# Altium PCB Gebru.PcbDoc (part 1 of 3)
Units mil, origin at the board's own origin, x right, y up, seen from the top; angles counter-clockwise.
Board outline 4231.75 x 4231.75 mil, 6 copper layers (Top Layer, GND, SL1, SL2, PWR, Bottom Layer), stack 58 mil thick; 203 components, 133 nets, 588 pads, 760 vias.
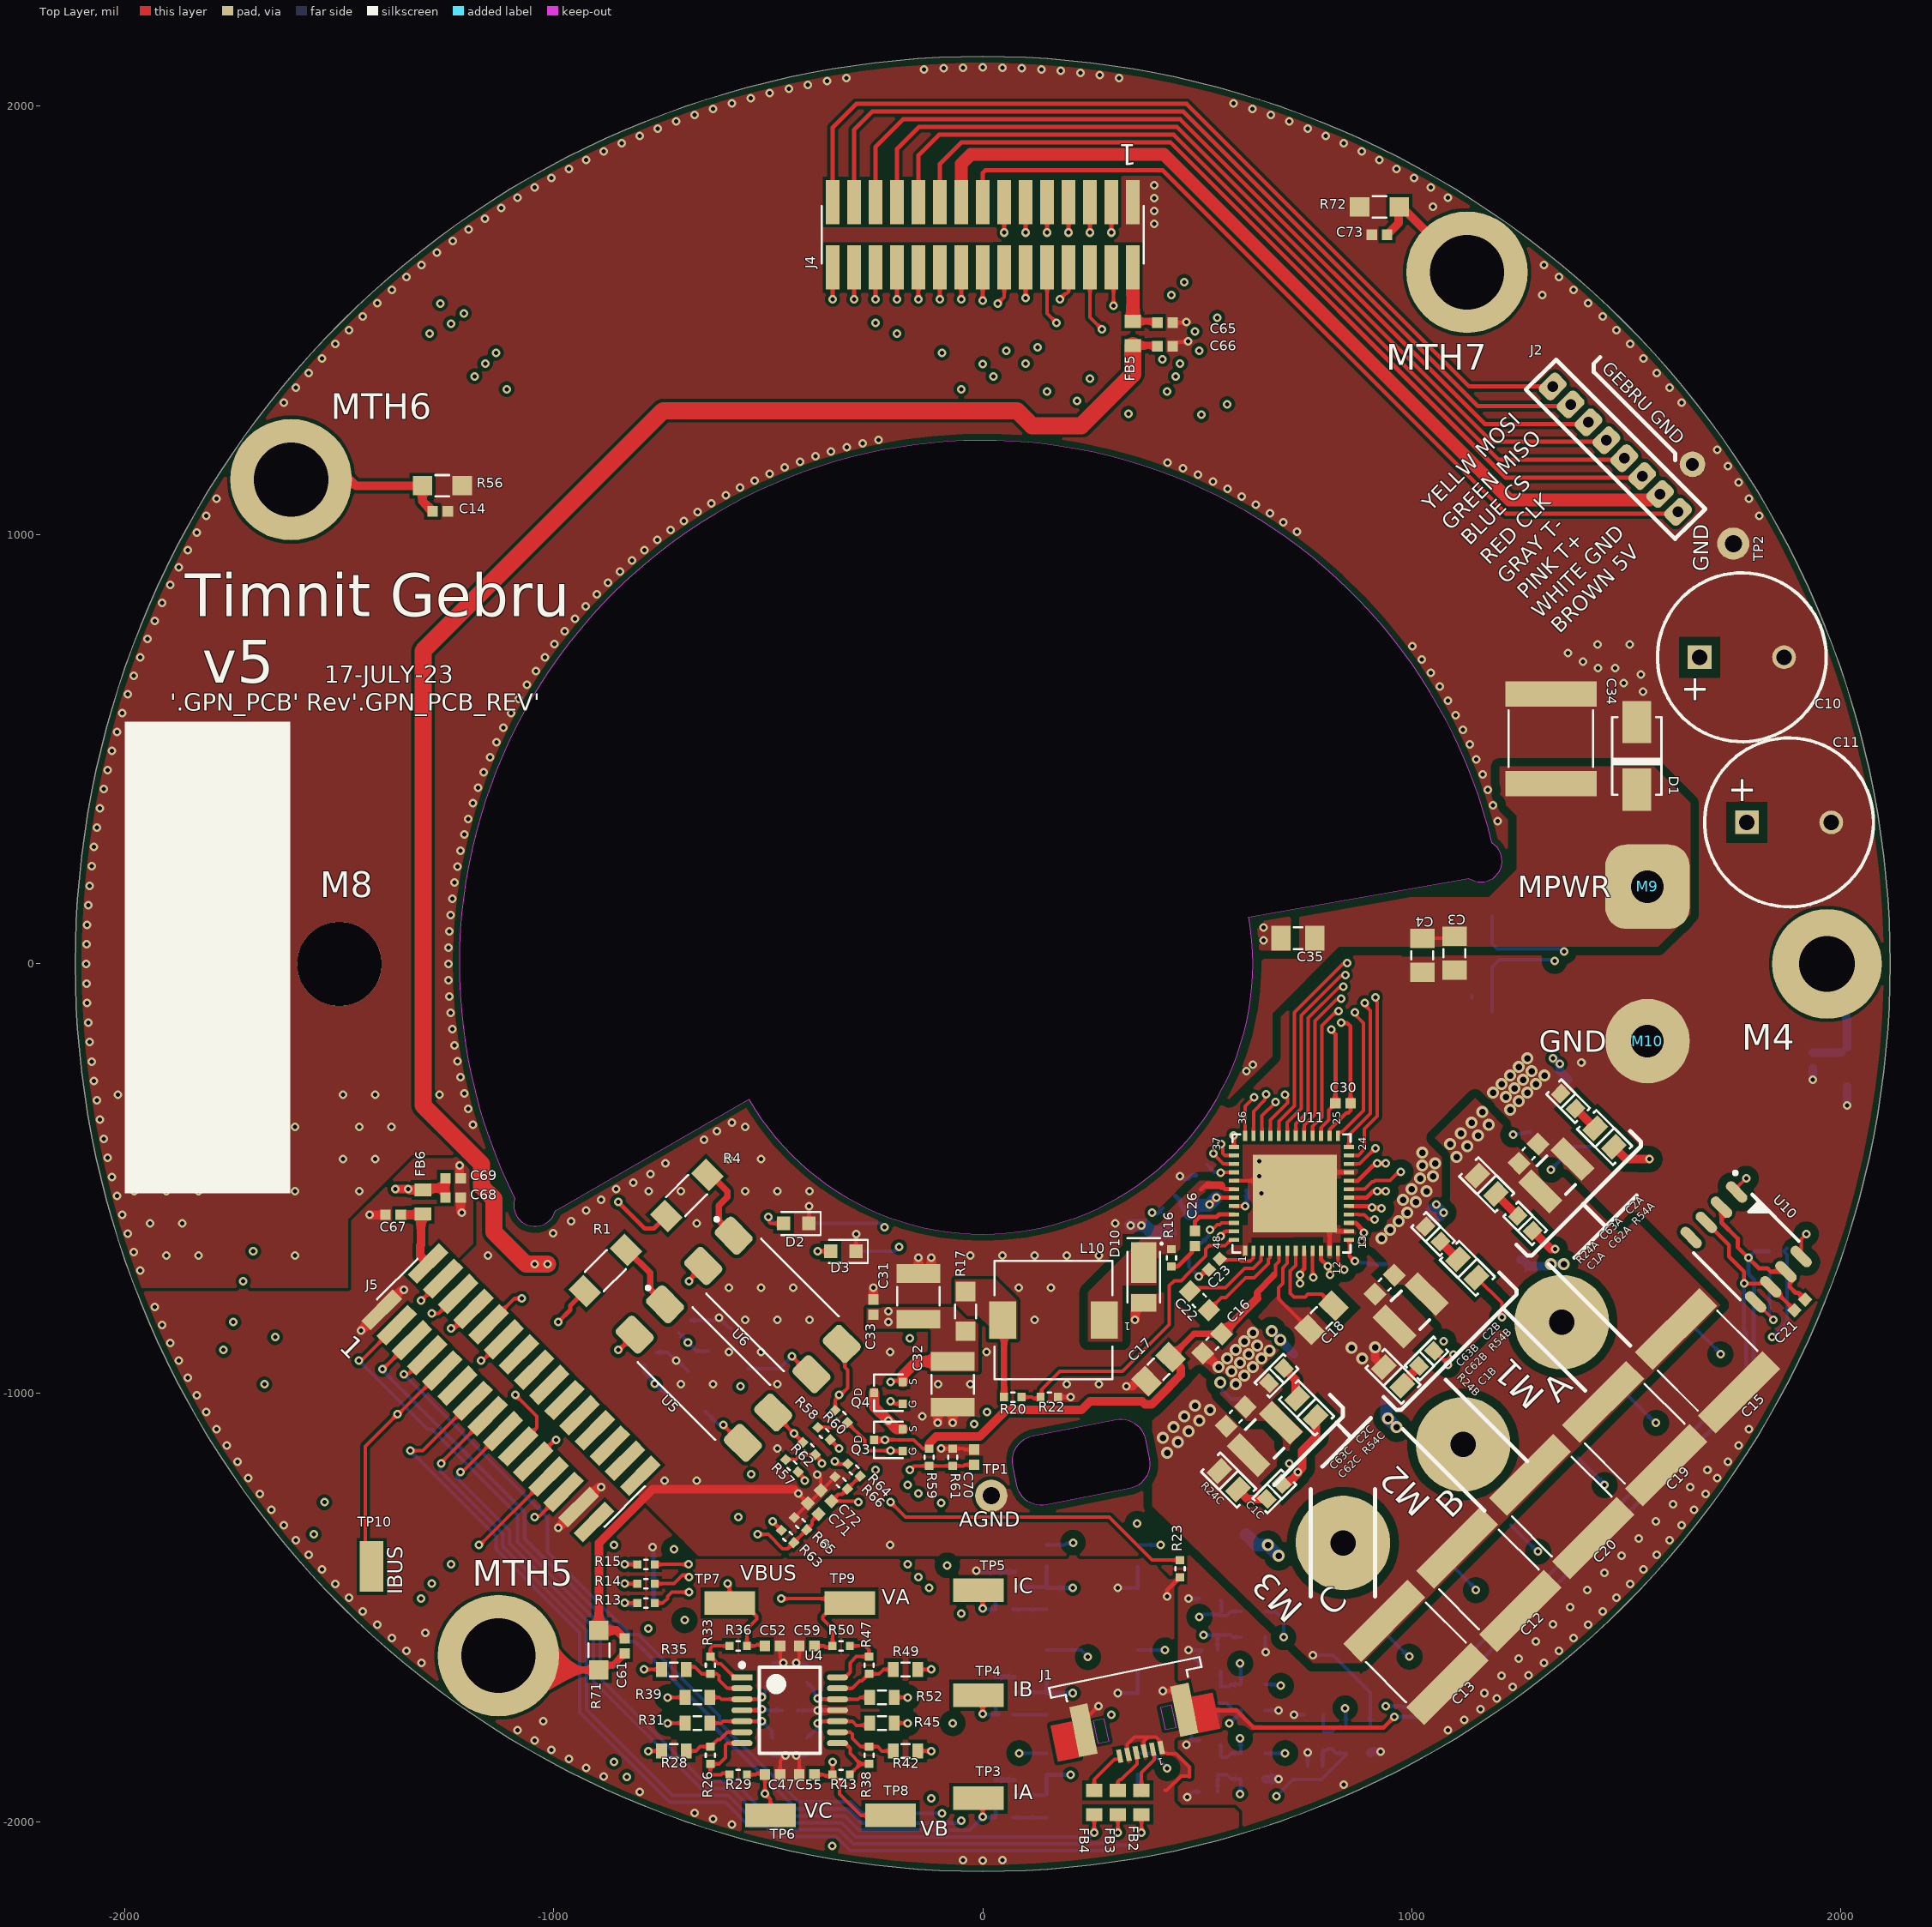
[diagram p0: Top Layer view]
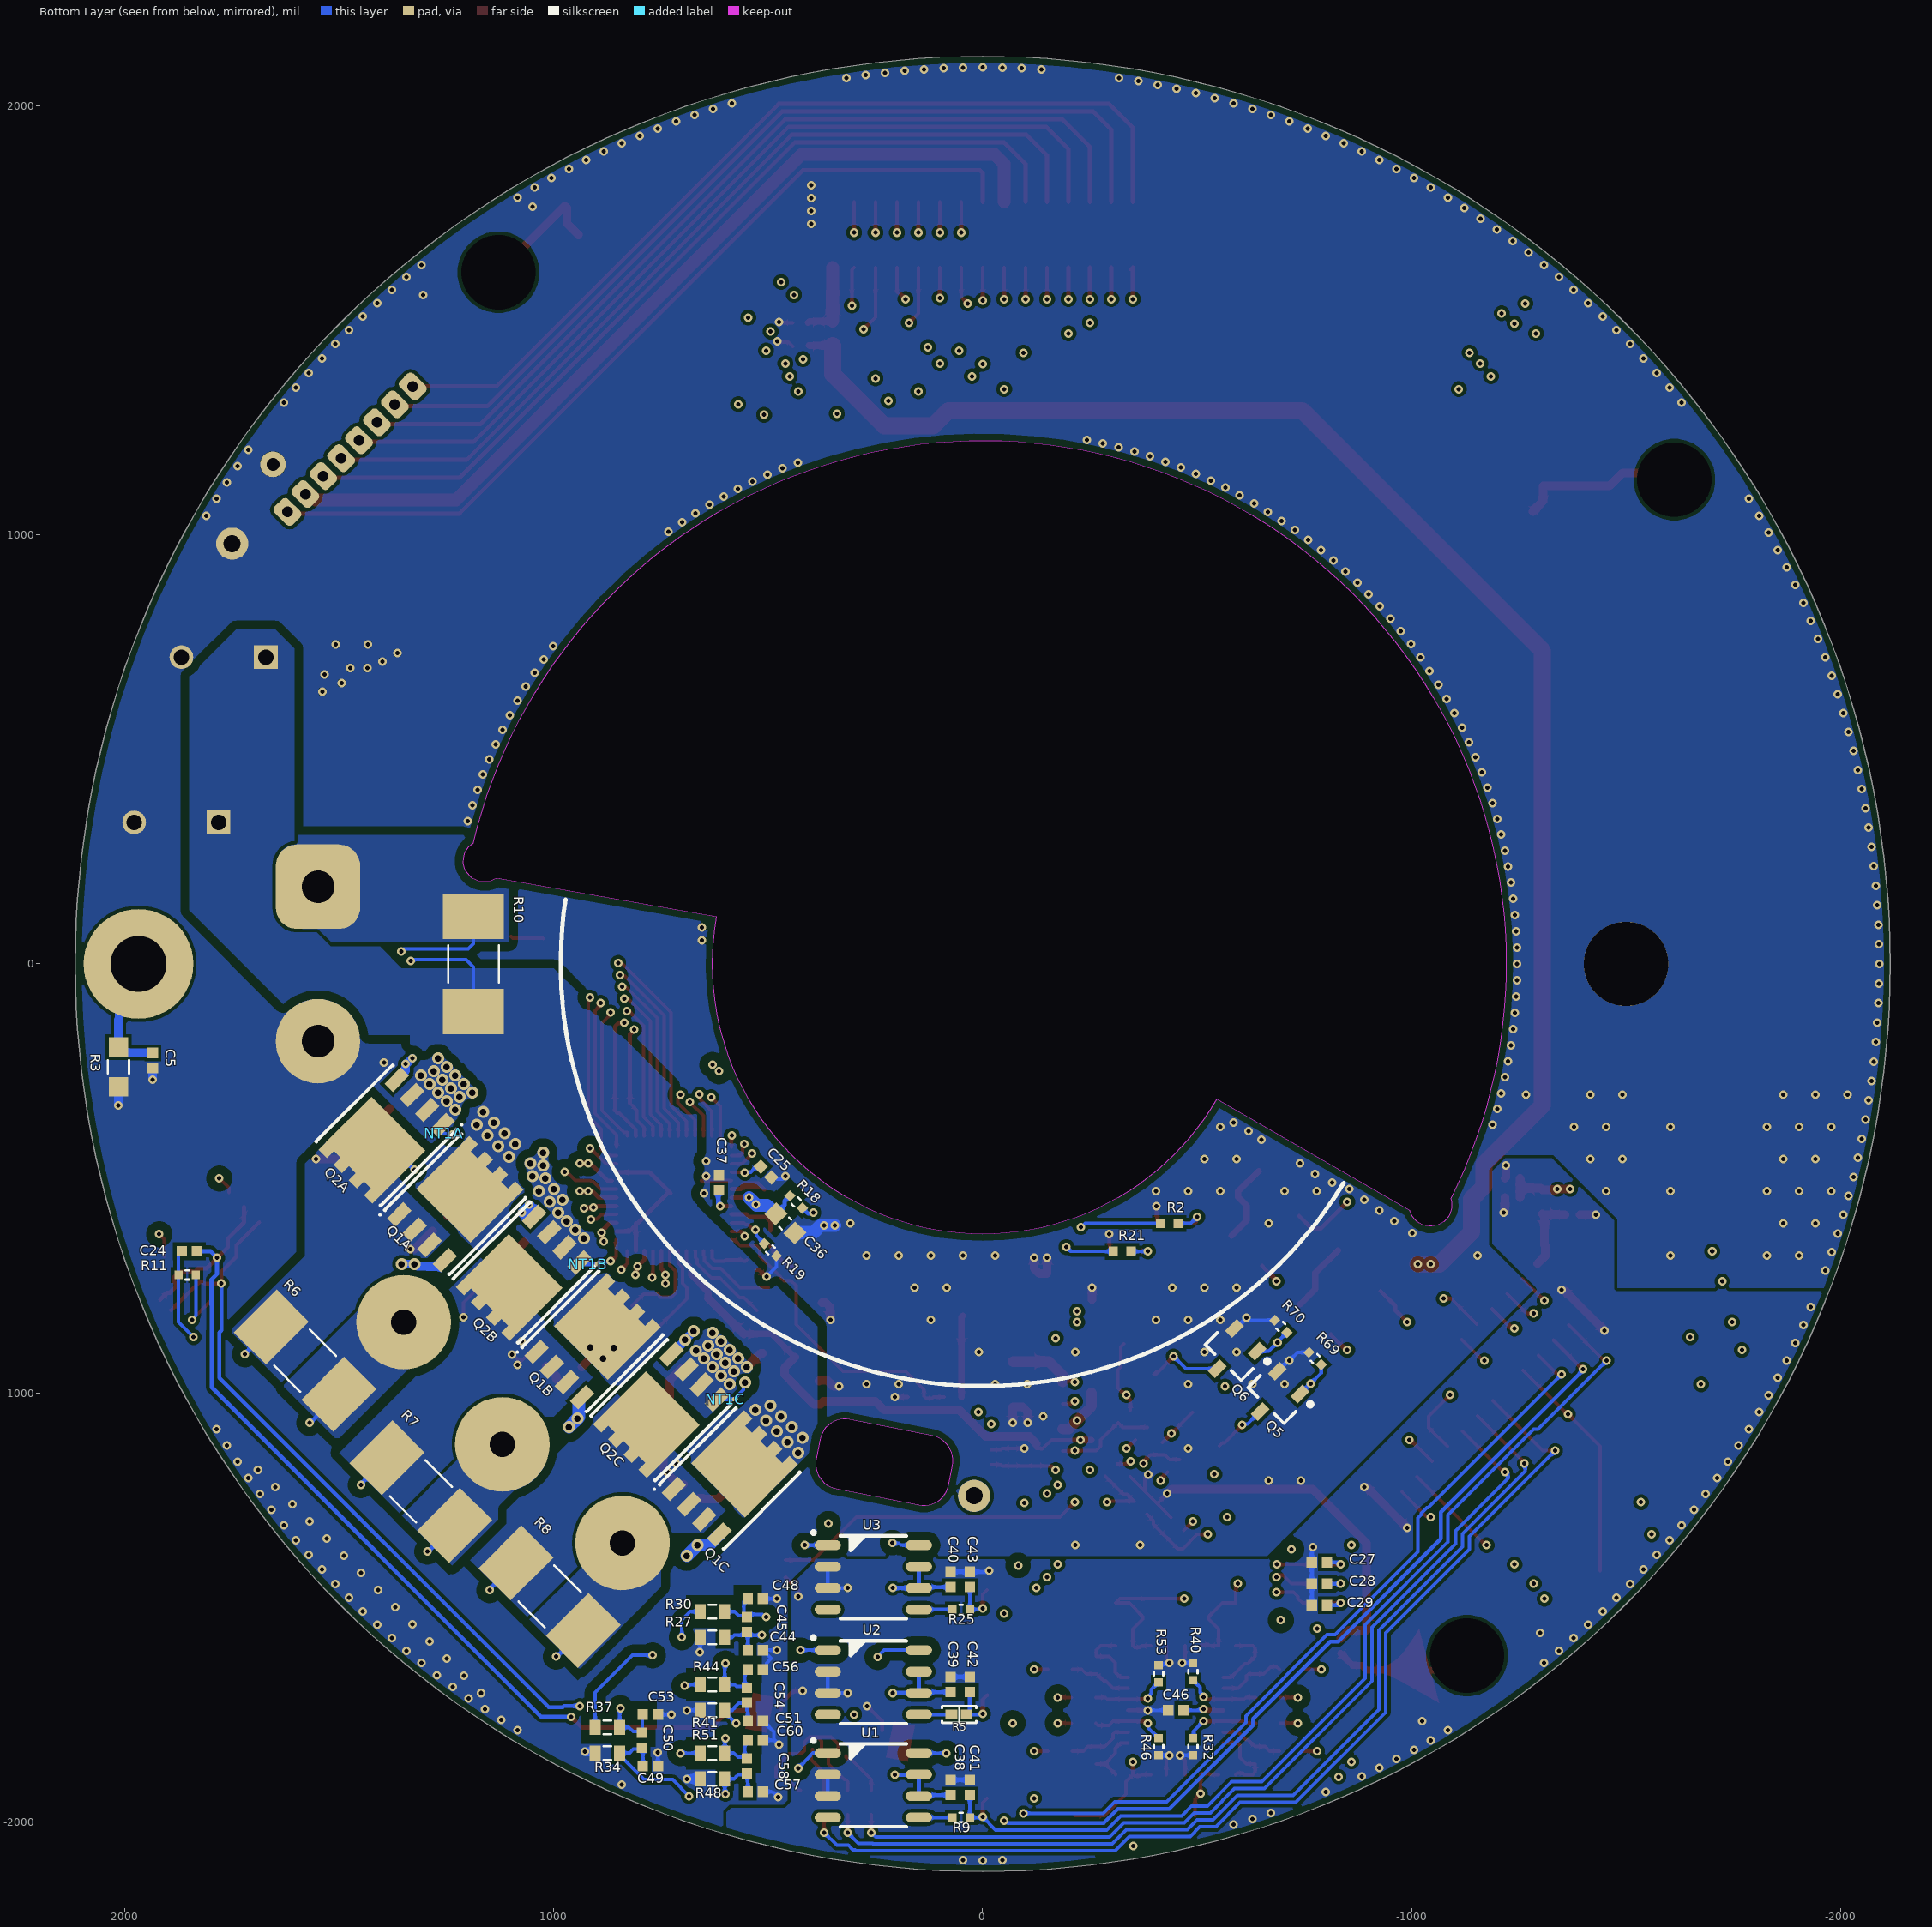
[diagram p1: Bottom Layer view, seen from below]
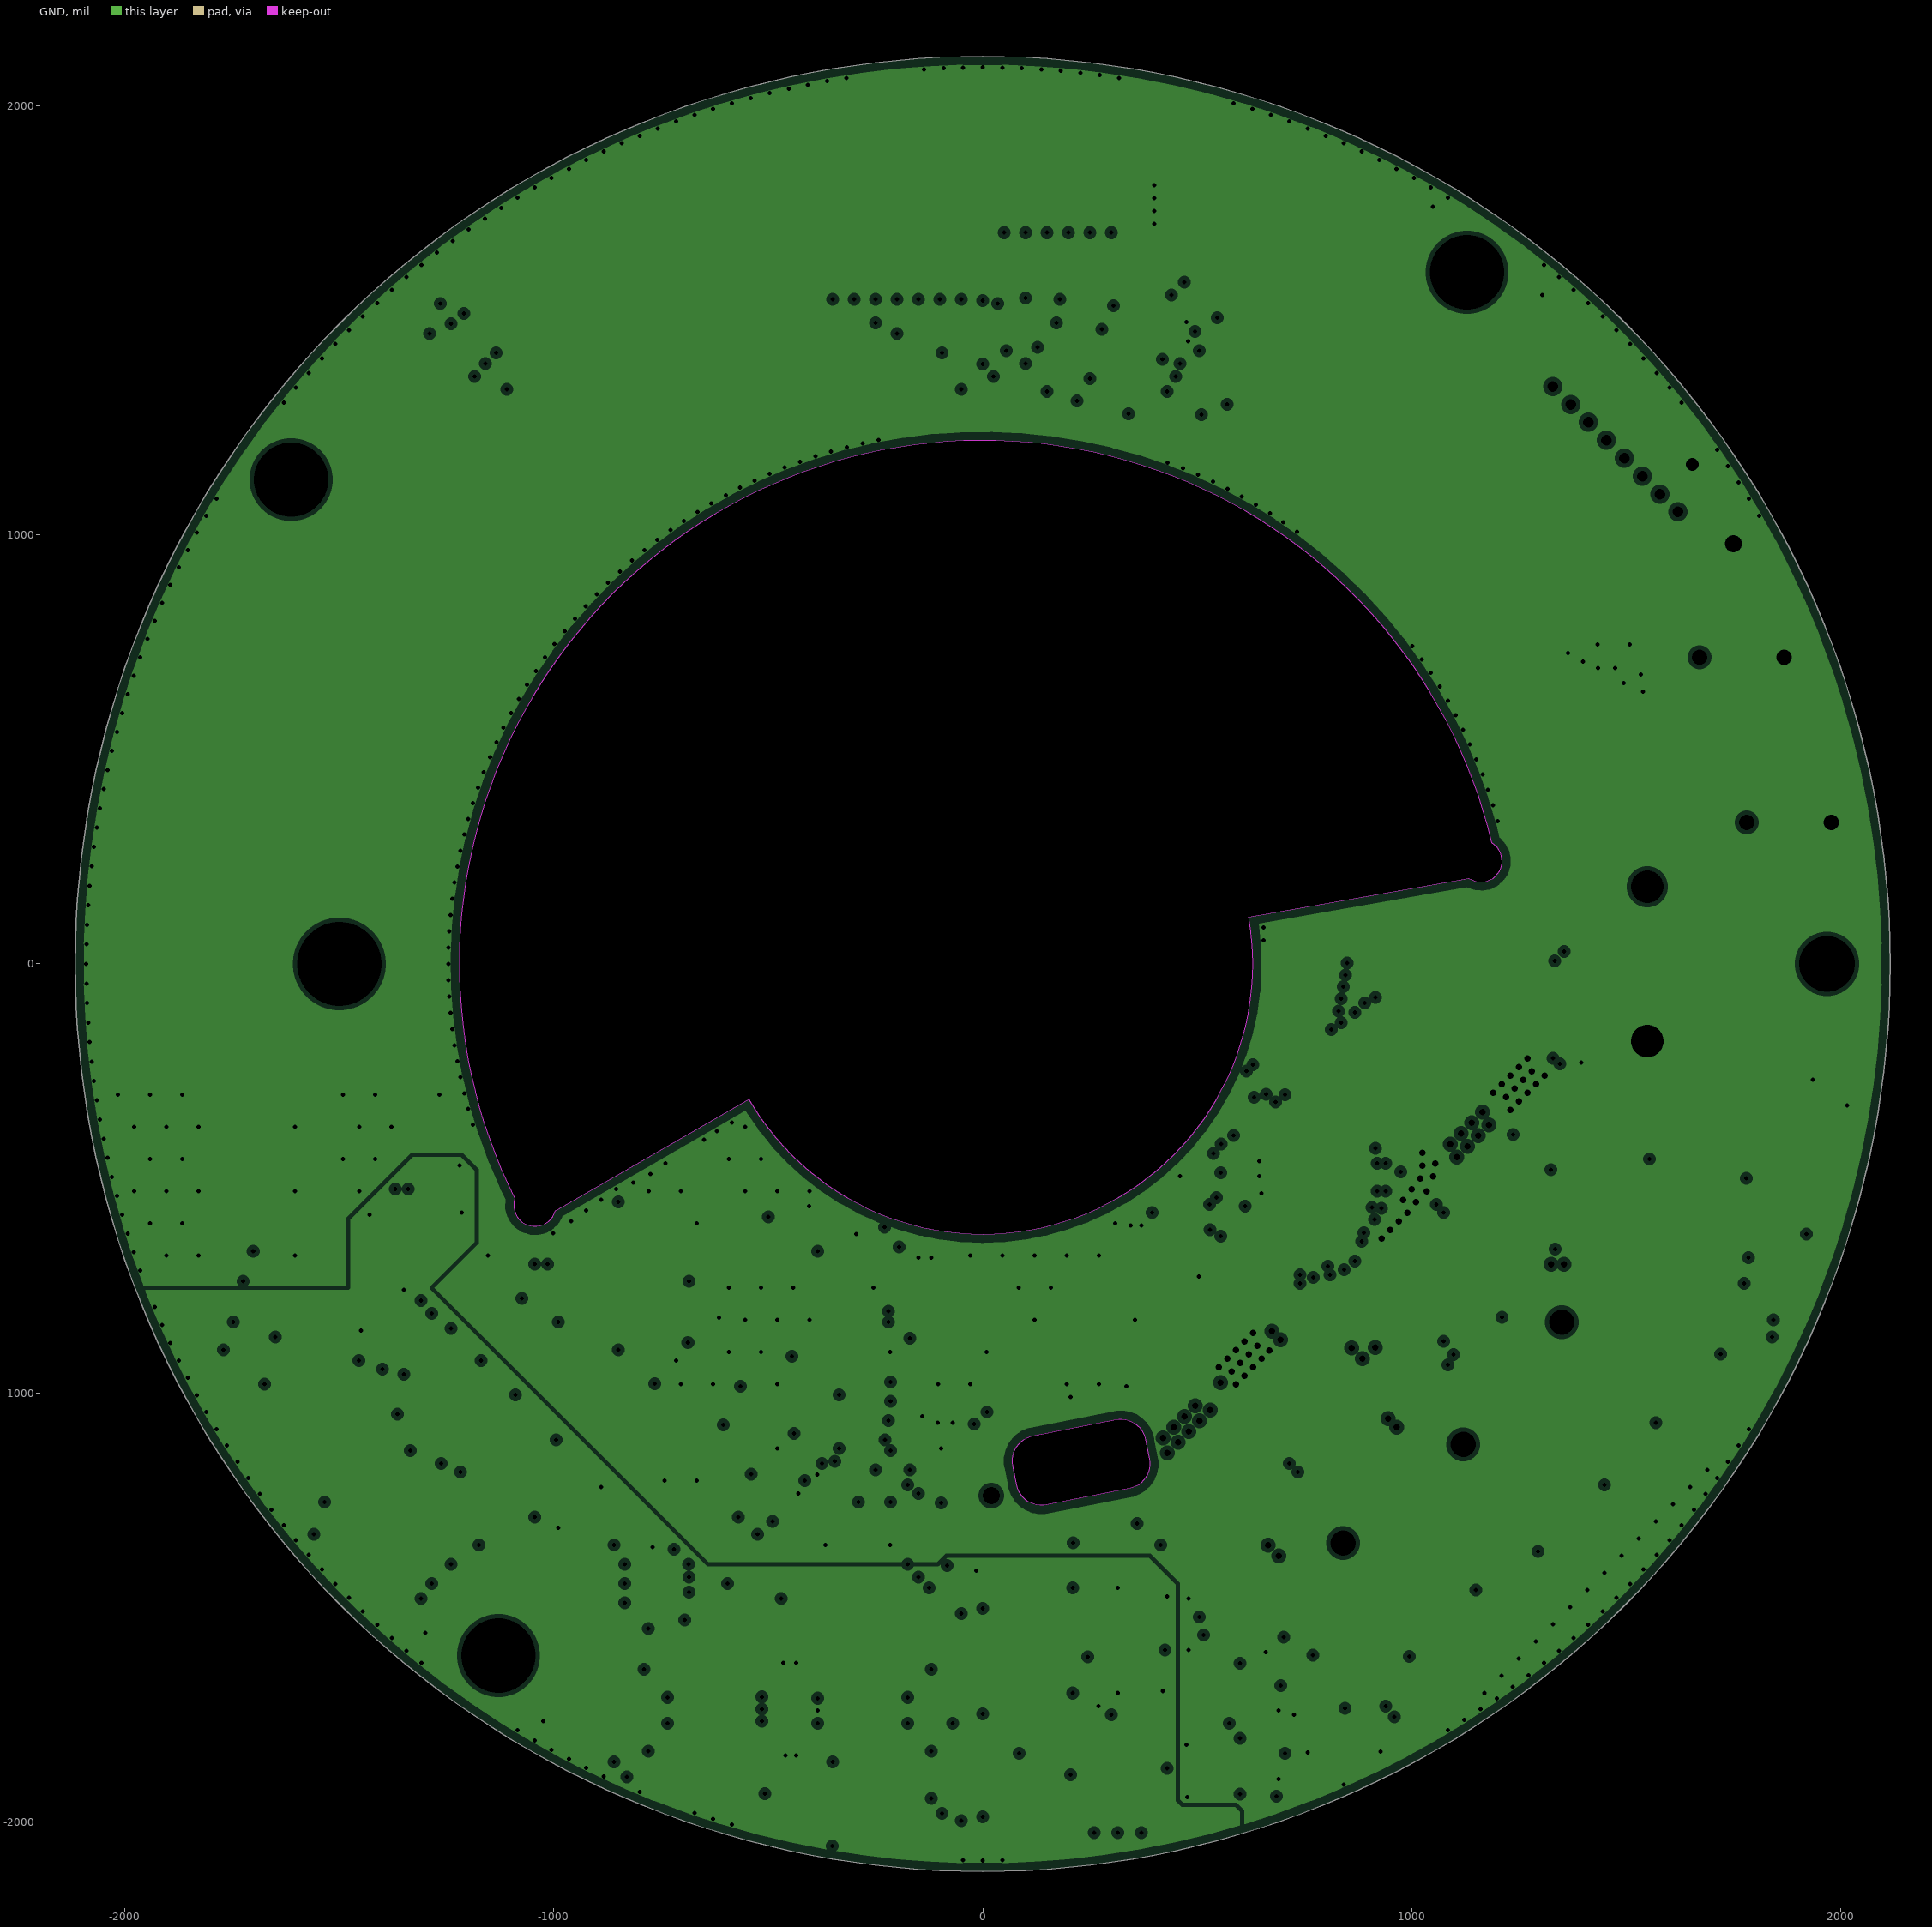
[diagram p2: GND, clearances drawn from the general rule]